# Altium PCB 75200_ctrl_407_v3.0.PcbDoc (part 1 of 2)
Units mil, origin at the board's own origin, x right, y up, seen from the top; angles counter-clockwise.
Board outline 3632.23 x 2372.43 mil, 4 copper layers (Top Layer, Signal Layer 1, Signal Layer 2, Bottom Layer), stack 30.634 mil thick; 152 components, 97 nets, 611 pads, 806 vias.
Unrouted connection lines stored in the file: 6.
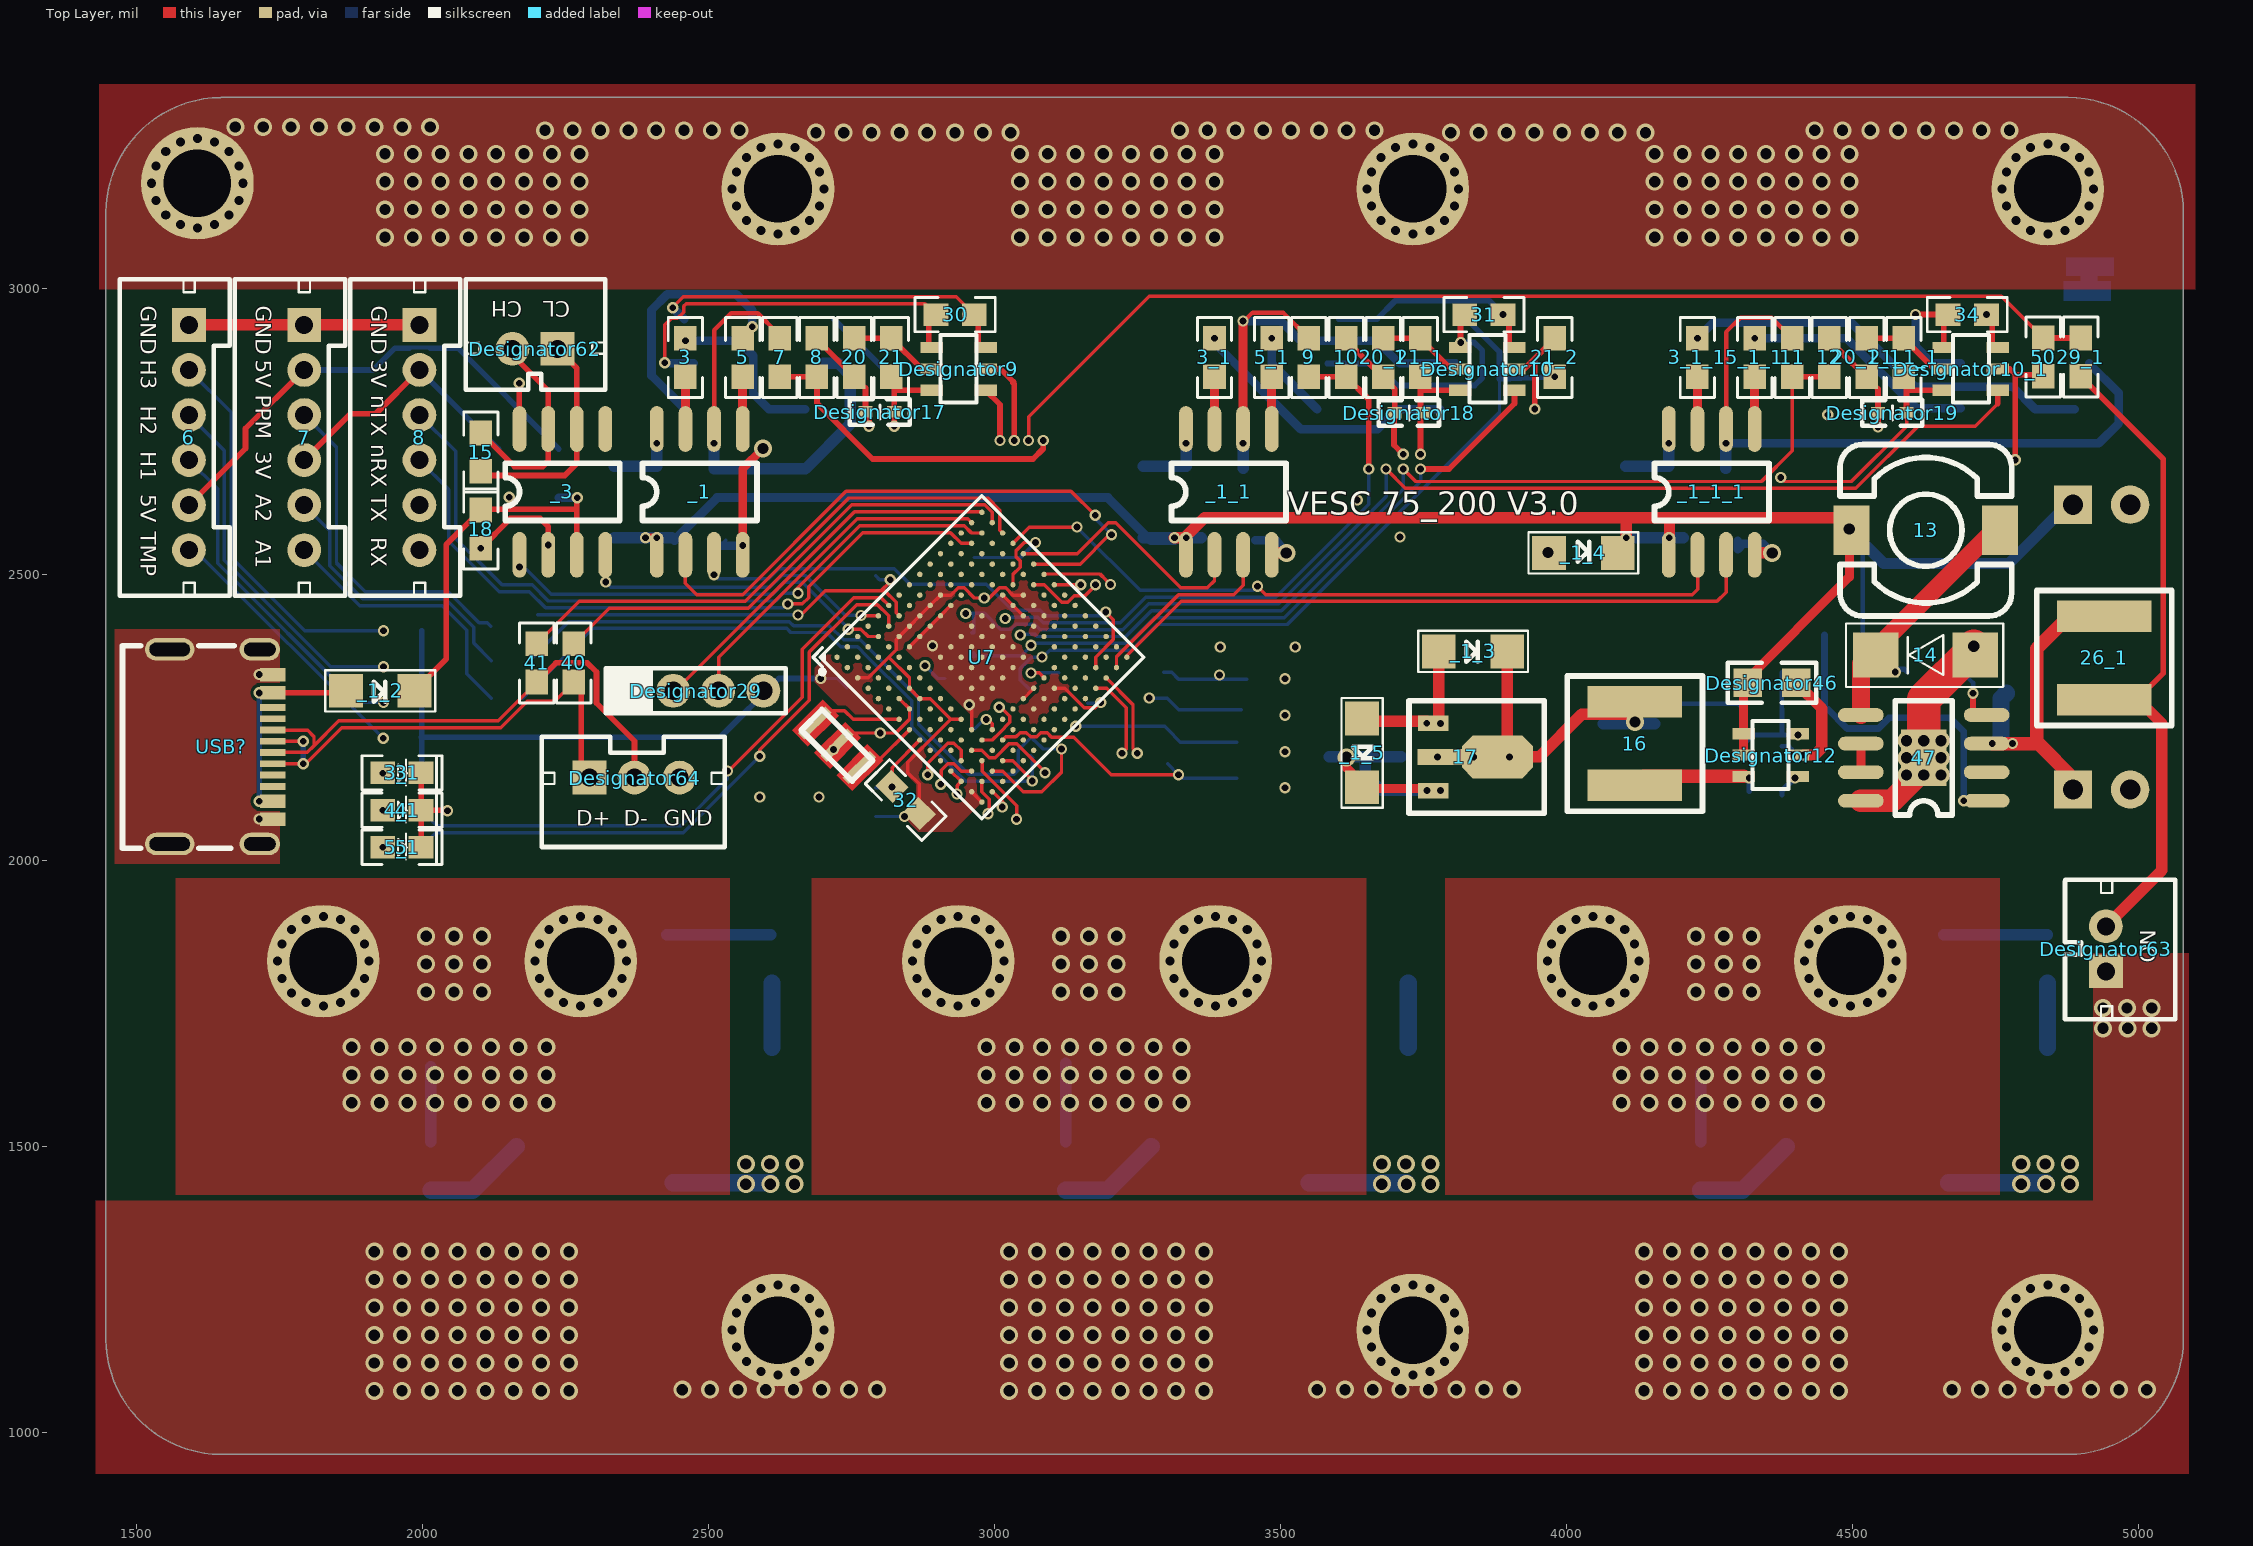
[diagram p0: Top Layer view]
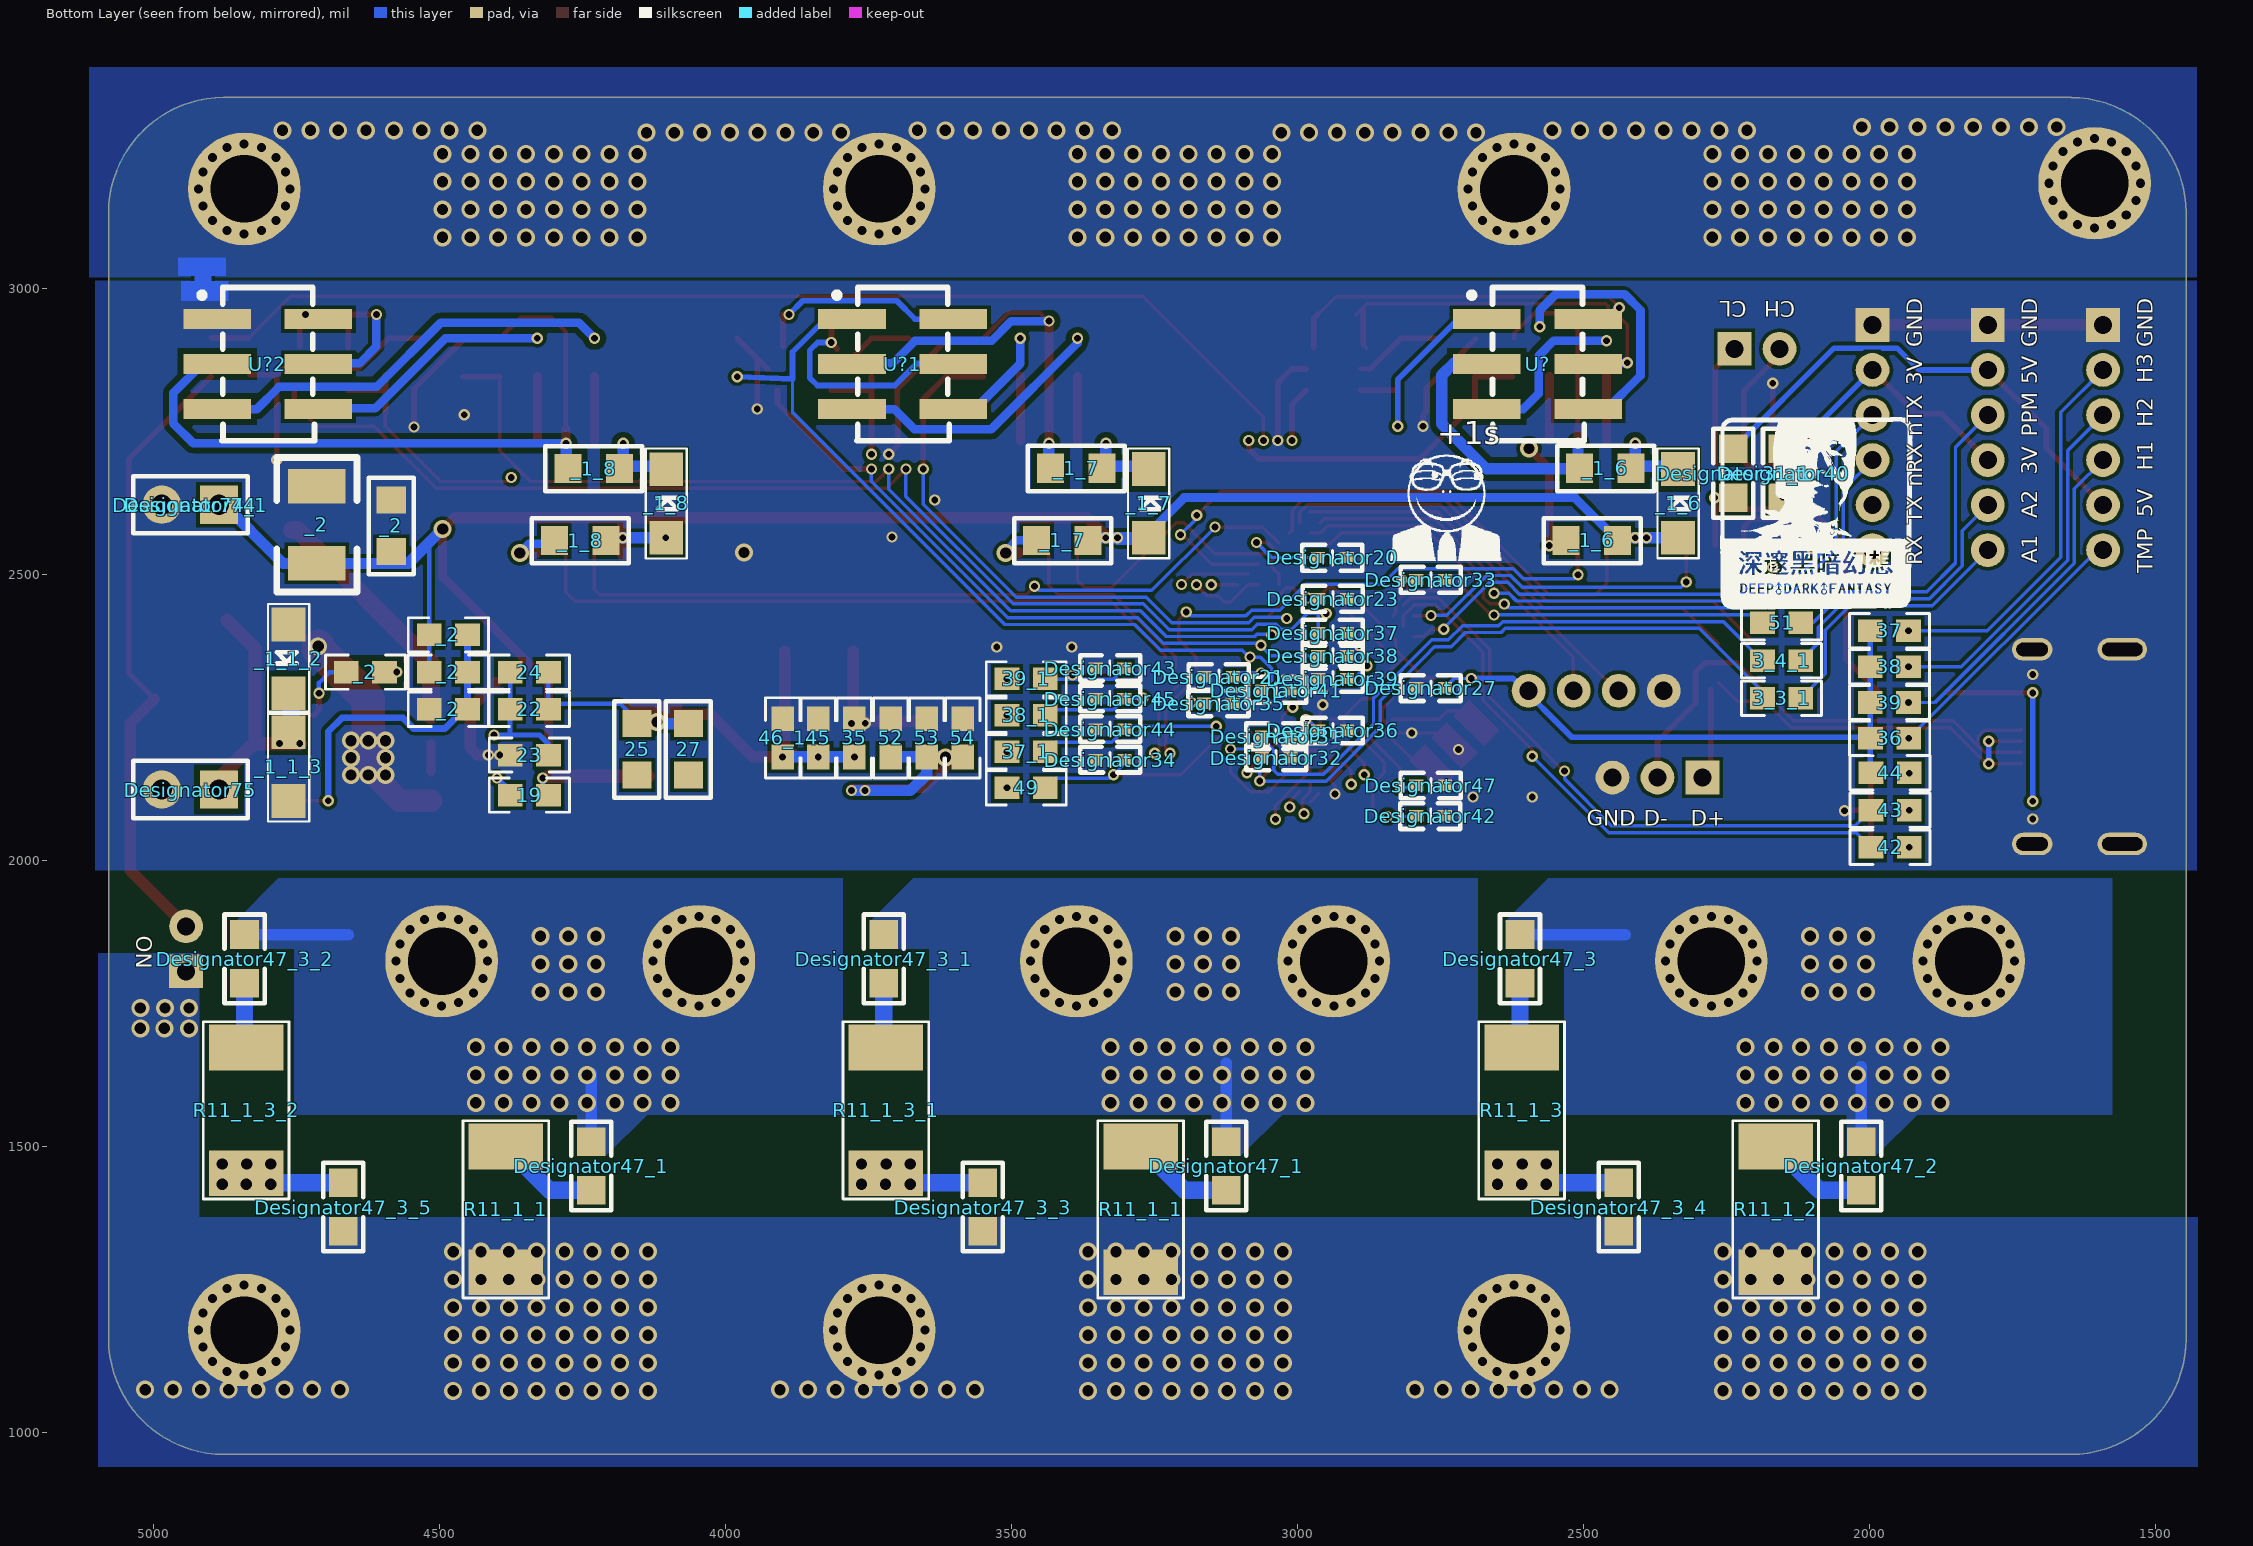
[diagram p1: Bottom Layer view, seen from below]
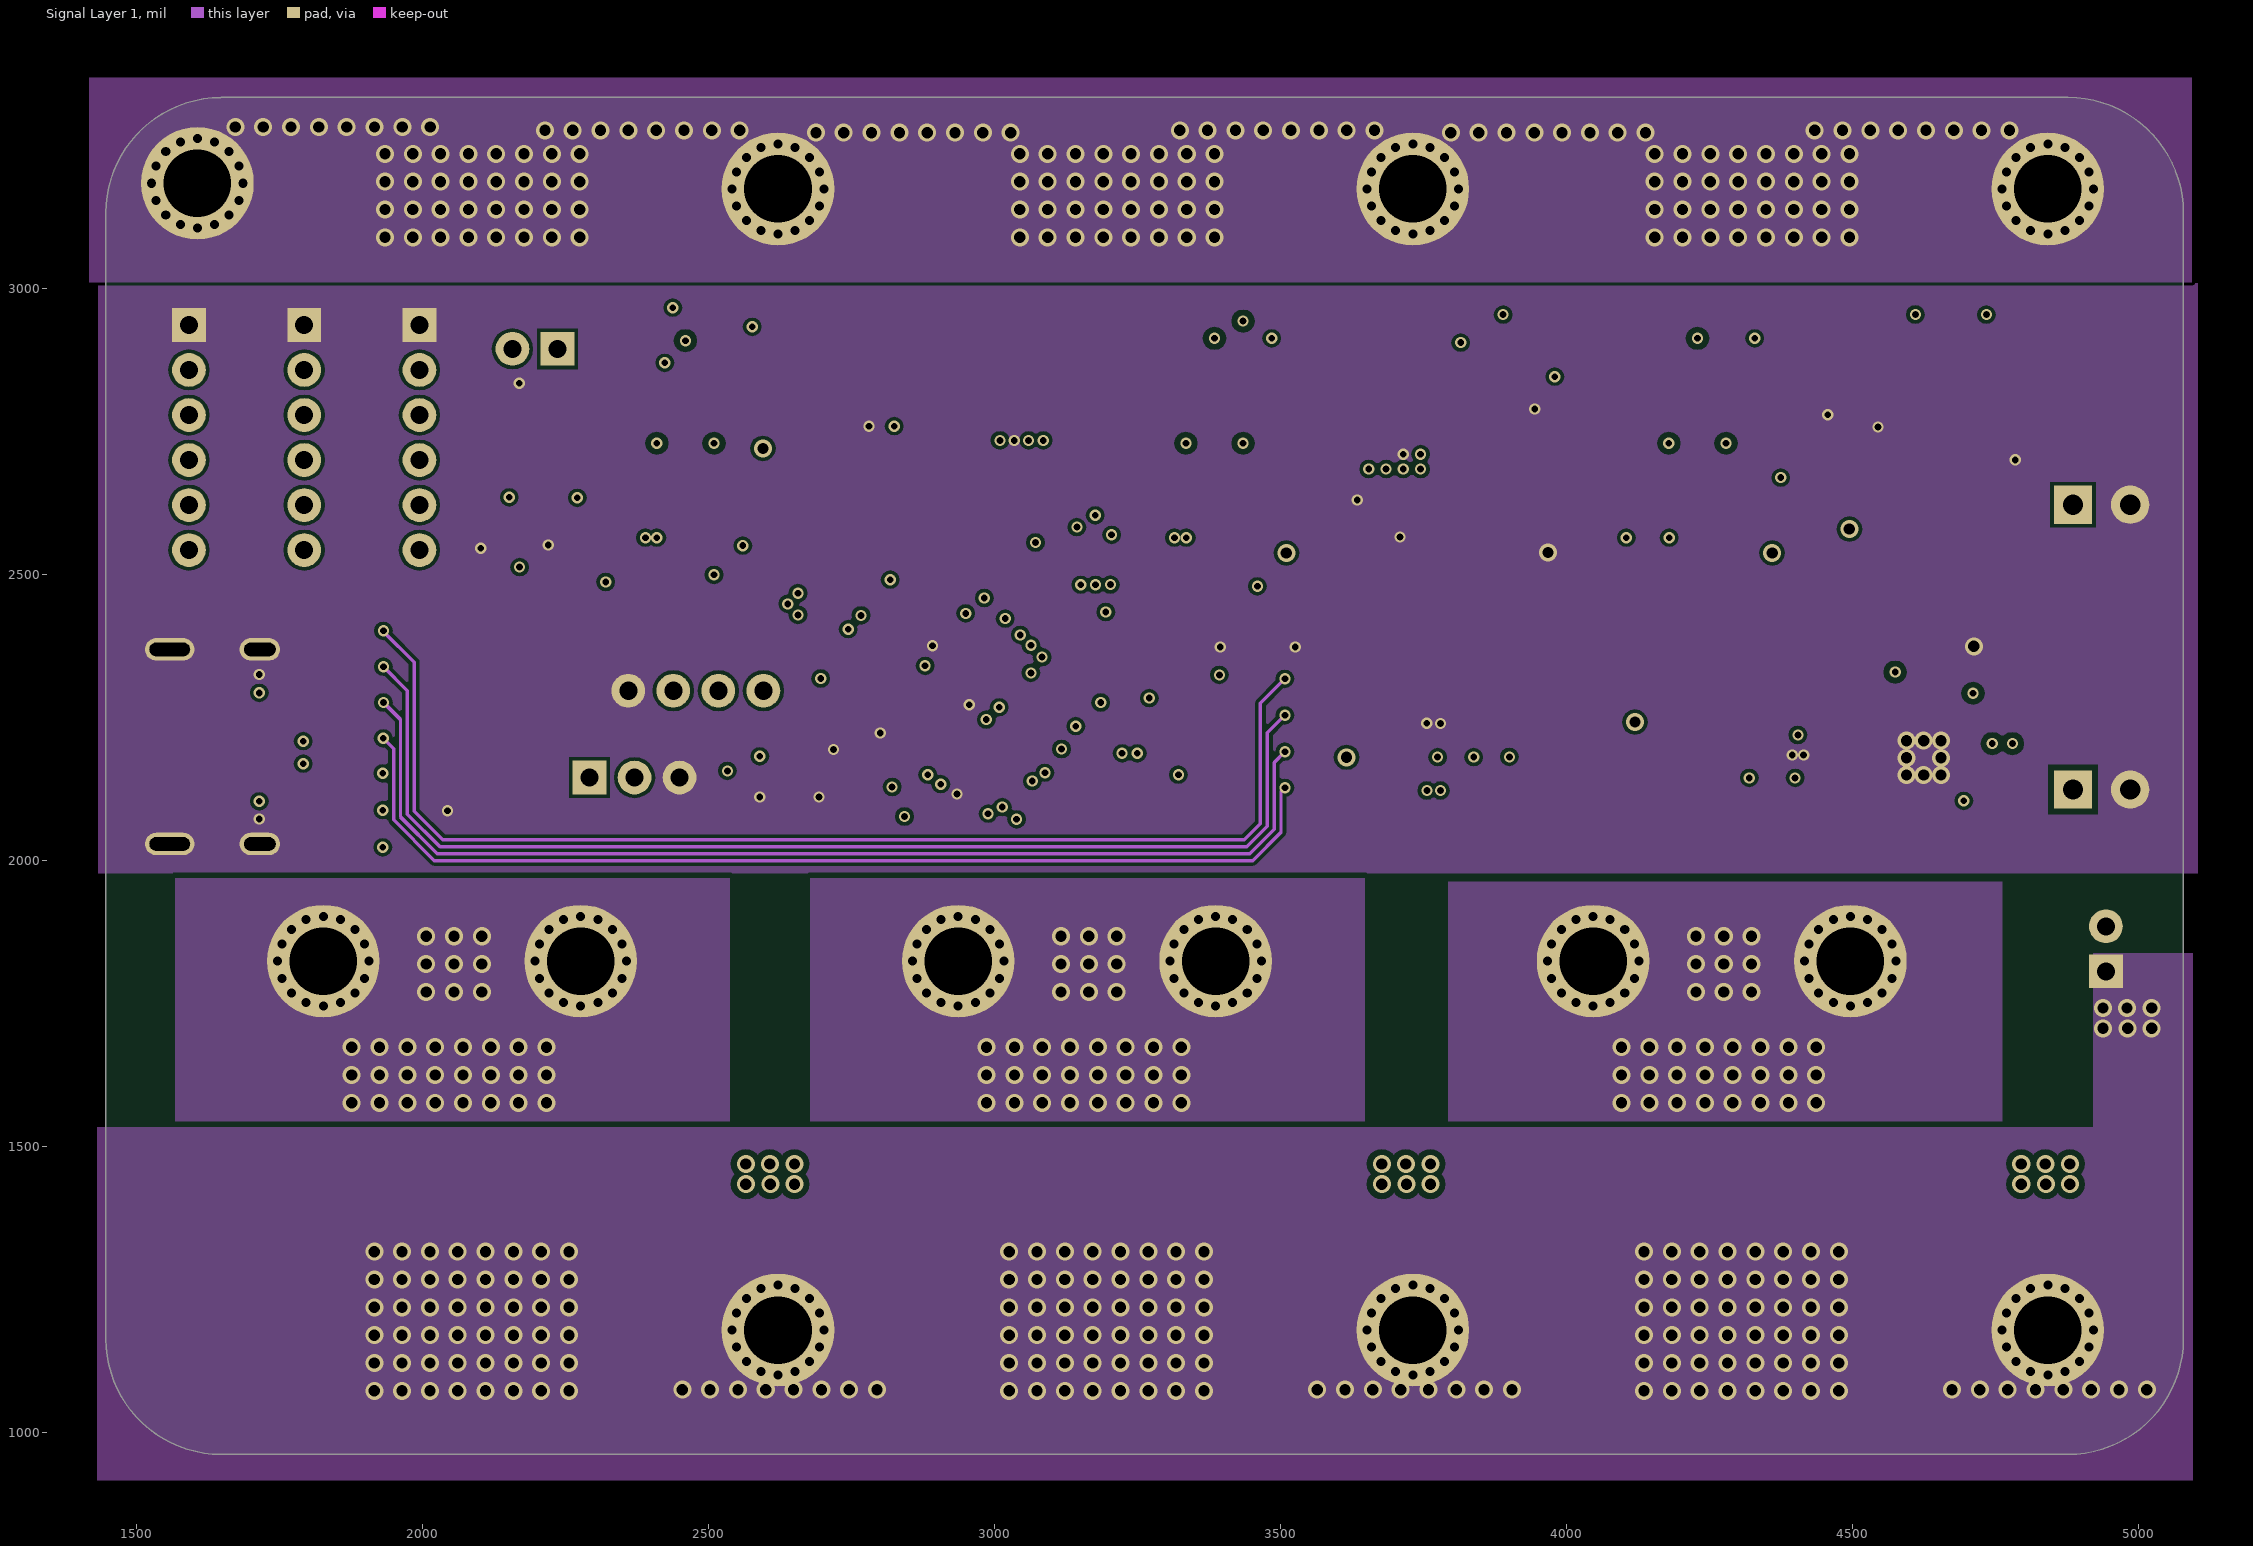
[diagram p2: Signal Layer 1]
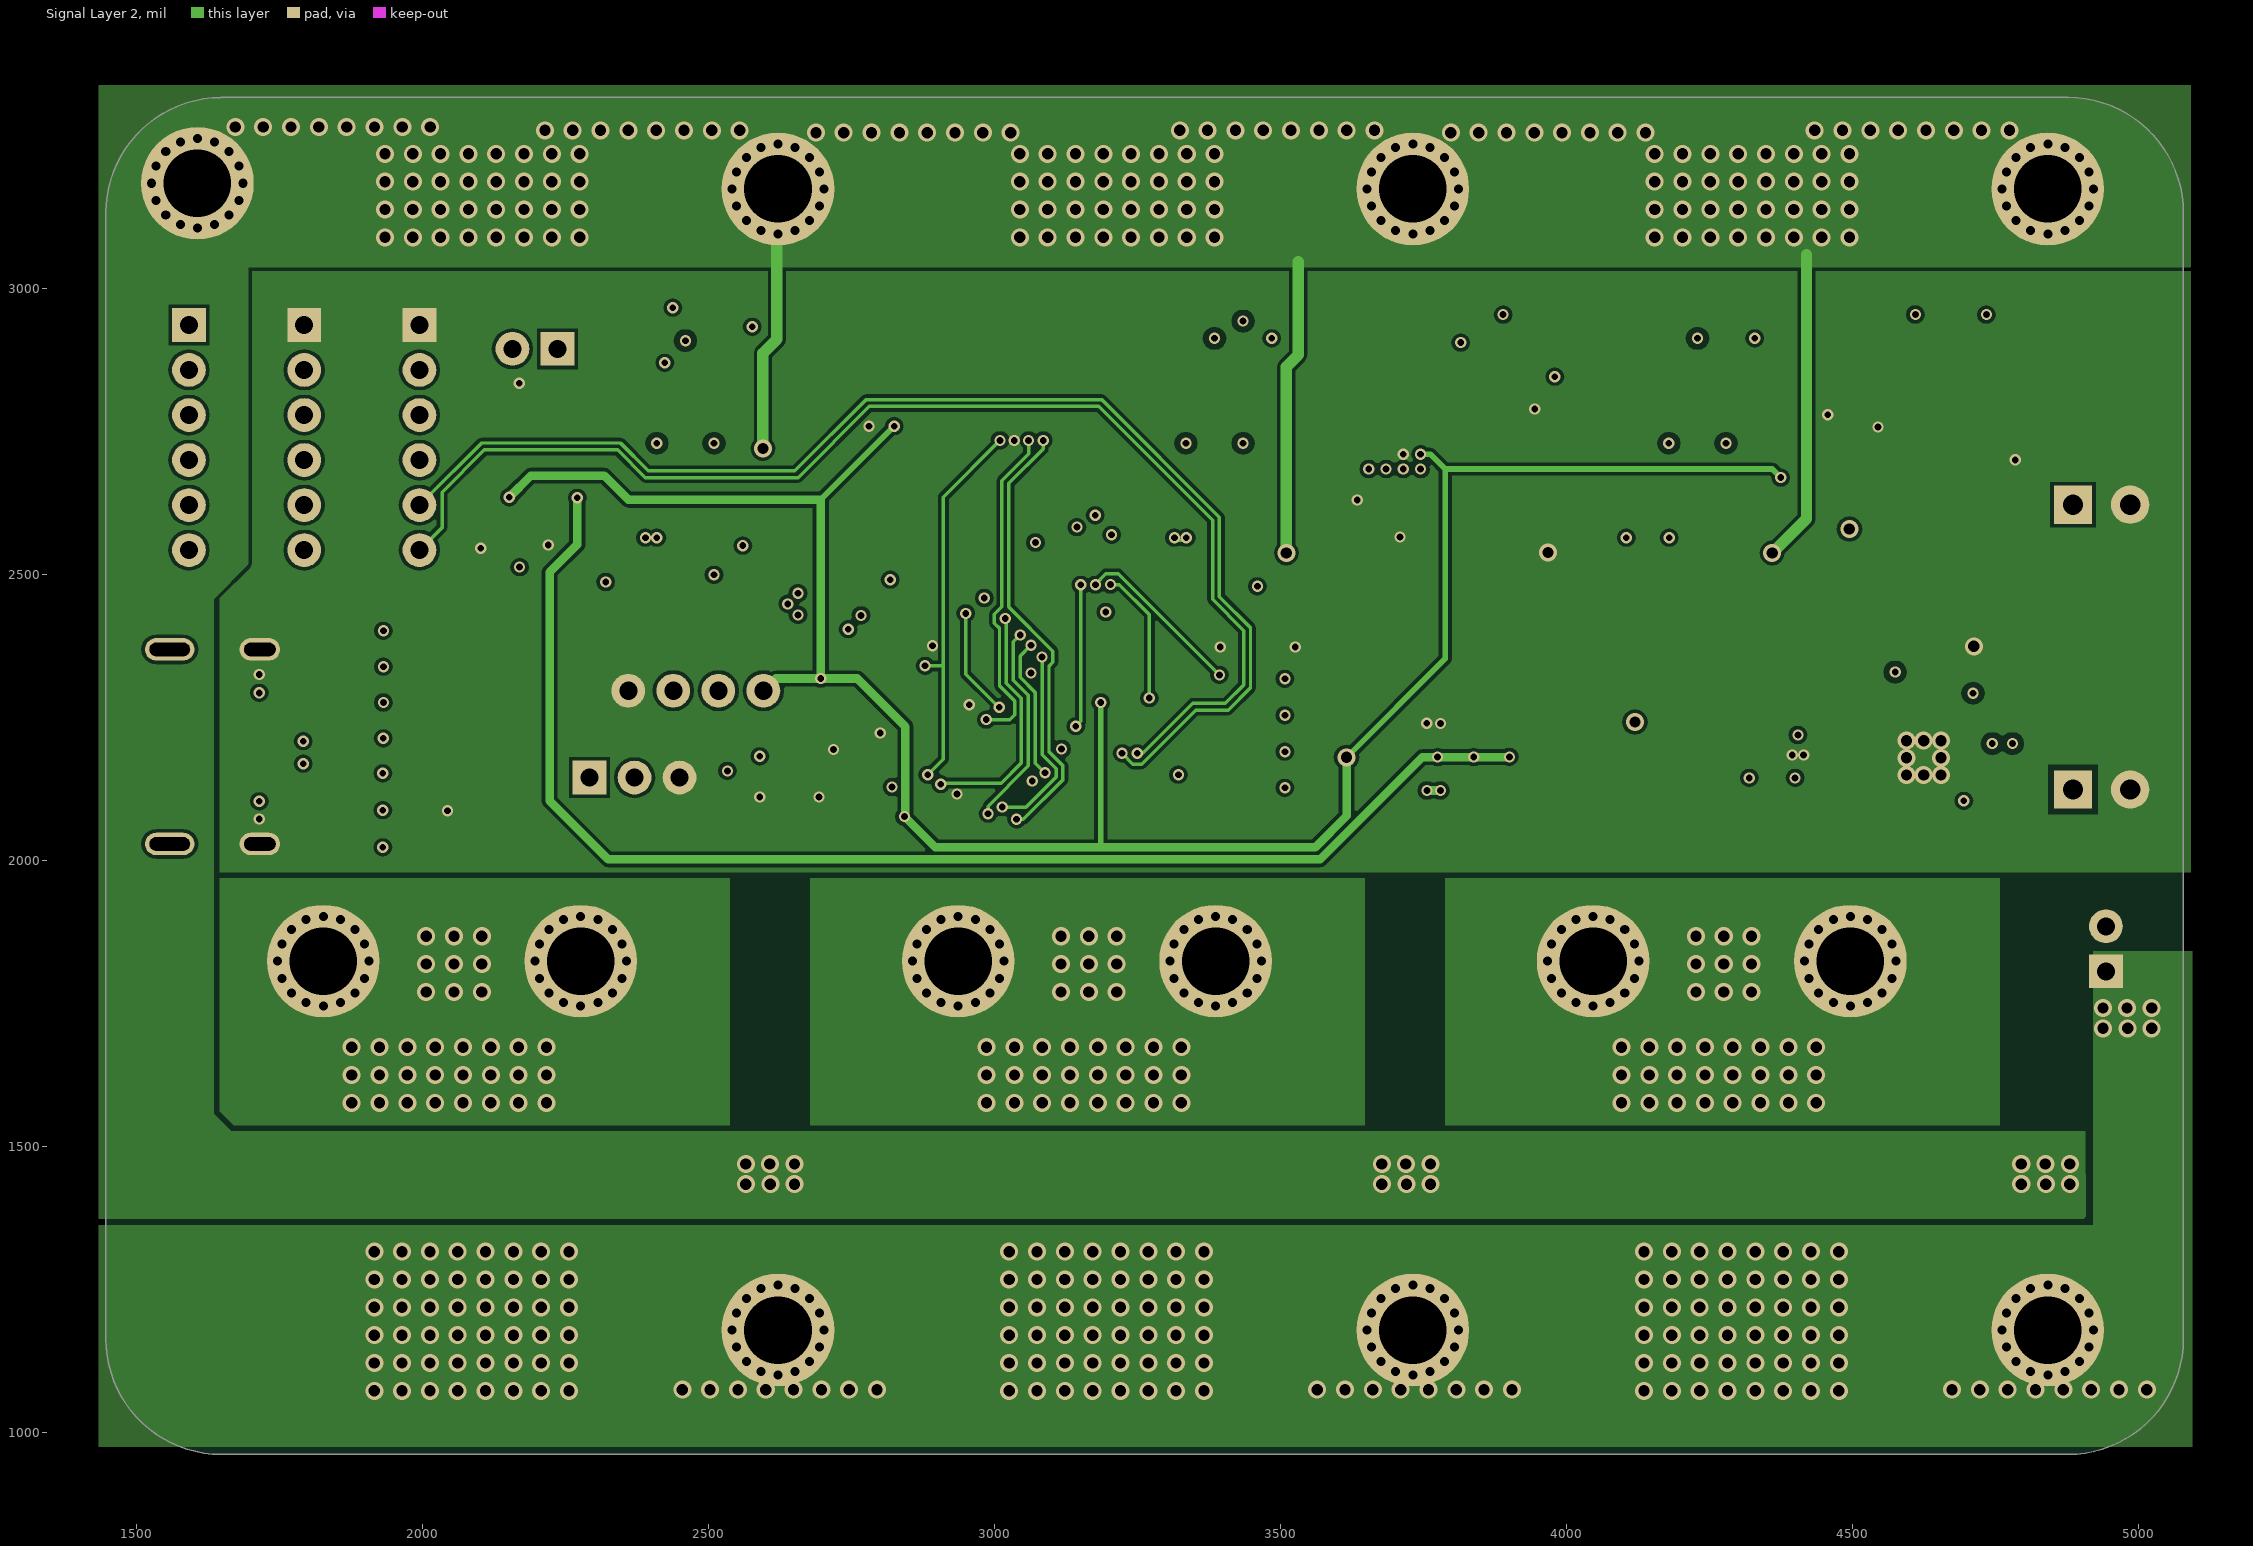
[diagram p3: Signal Layer 2]

## Layer stack, top to bottom
Top Solder: solder mask 0.4, Solder Resist, Dk 3.5
Top Layer: signal copper 1.4
Dielectric1: core 10, FR-4, Dk 4.2
Signal Layer 1: signal copper 1.417
Dielectric 3: prepreg 5, Dk 4.2
Signal Layer 2: signal copper 1.417
Dielectric 2: core 10, Dk 4.2
Bottom Layer: signal copper 1.4
Bottom Solder: solder mask 0.4, Solder Resist, Dk 3.5

## Board outline
1446.84,1164.11 cw(c1648.7,1164.14) 1446.84,1164.14 1446.84,3132.54 1446.84,3132.64 cw(c1648.7,3132.64) 1647.48,3334.5 cw(c1648.7,3329.64) 1648.7,3334.66 4877.14,3334.66 cw(c4877.2,3329.64) 4877.2,3334.66 cw(c4877.2,3132.79) 5079.07,3132.79 cw(c5074.05,3132.79) 5078.92,3131.58 5078.92,1164.09 cw(c5073.9,1164.09) 5078.92,1164.06 cw(c4877.05,1164.09) 4877.05,962.23 1648.9,962.23 cw(c1648.9,967.24) 1648.21,962.27 cw(c1648.7,1164.14)

## Design rules (kind name [scope] priority, off if disabled: settings)
Clearance HV [(InNet('U') OR InNet('V') OR InNet('W') OR InNet('vb') OR InNet('sw1') OR InNet('uh') OR InNet('vh') OR InNet('wh') OR InNet('CU') OR InNet('CV') OR InNet('CW') OR InNet('VBAT') OR InNet('UU') OR InNet('VV') OR InNet('WW') OR InNet('bst1') OR InNet('ccu') OR InNet('ccv') OR InNet('ccw'))] p1: gap=10 ignorepadtopadclearanceinfootprint=TRUE
Clearance [All] p2: gap=6 ignorepadtopadclearanceinfootprint=TRUE except(0: Arc-Hole Track-Hole SMDPad-Hole THPad-Hole Via-Hole Fill-Hole Poly-Hole Region-Hole Text-Hole; 5: Arc-SMDPad Arc-THPad Arc-Text Track-SMDPad Track-THPad Track-Text SMDPad-SMDPad SMDPad-THPad SMDPad-Text THPad-THPad THPad-Text Via-Text Fill-Text Poly-Text Region-Text Text-Text)
ComponentClearance [All] p1: gap=-1000 collisioncheckmode=3 verticalgap=100000 showdistances=FALSE
PlaneClearance [All] p1: clearance=6
PlaneConnect [All] p1: planeconnectstyle=Relief reliefexpansion=6 reliefentries=4 reliefconductorwidth=6 reliefairgap=6
PolygonConnect [All vs InNetClass('All Nets')] p1: connectstyle=Direct reliefconductorwidth=10 reliefentries=4 polygonreliefangle="90 Angle" airgapwidth=10
RoutingVias [All] p1: holewidth=28 width=50 viastyle="Through Hole" minholewidth=28 minwidth=50 maxholewidth=28 maxwidth=50
SilkToSolderMaskClearance SilkscreenOverComponentPads [IsPad] p1: minsilkscreentomaskgap=10 clearancetoexposedcopper=TRUE
SolderMaskExpansion [All] p1: expansion=2
Width [All] p1: maxlimit=999 minlimit=6 preferedwidth=6 toplayer_maxwidth=984.25 bottomlayer_maxwidth=984.25 minimp=50.000000 maximp=50.000000 favimp=50.000000
26 further rules are at their usual default settings.
